# KiCad board Latest-Full-Backplane.kicad_pcb (continued)
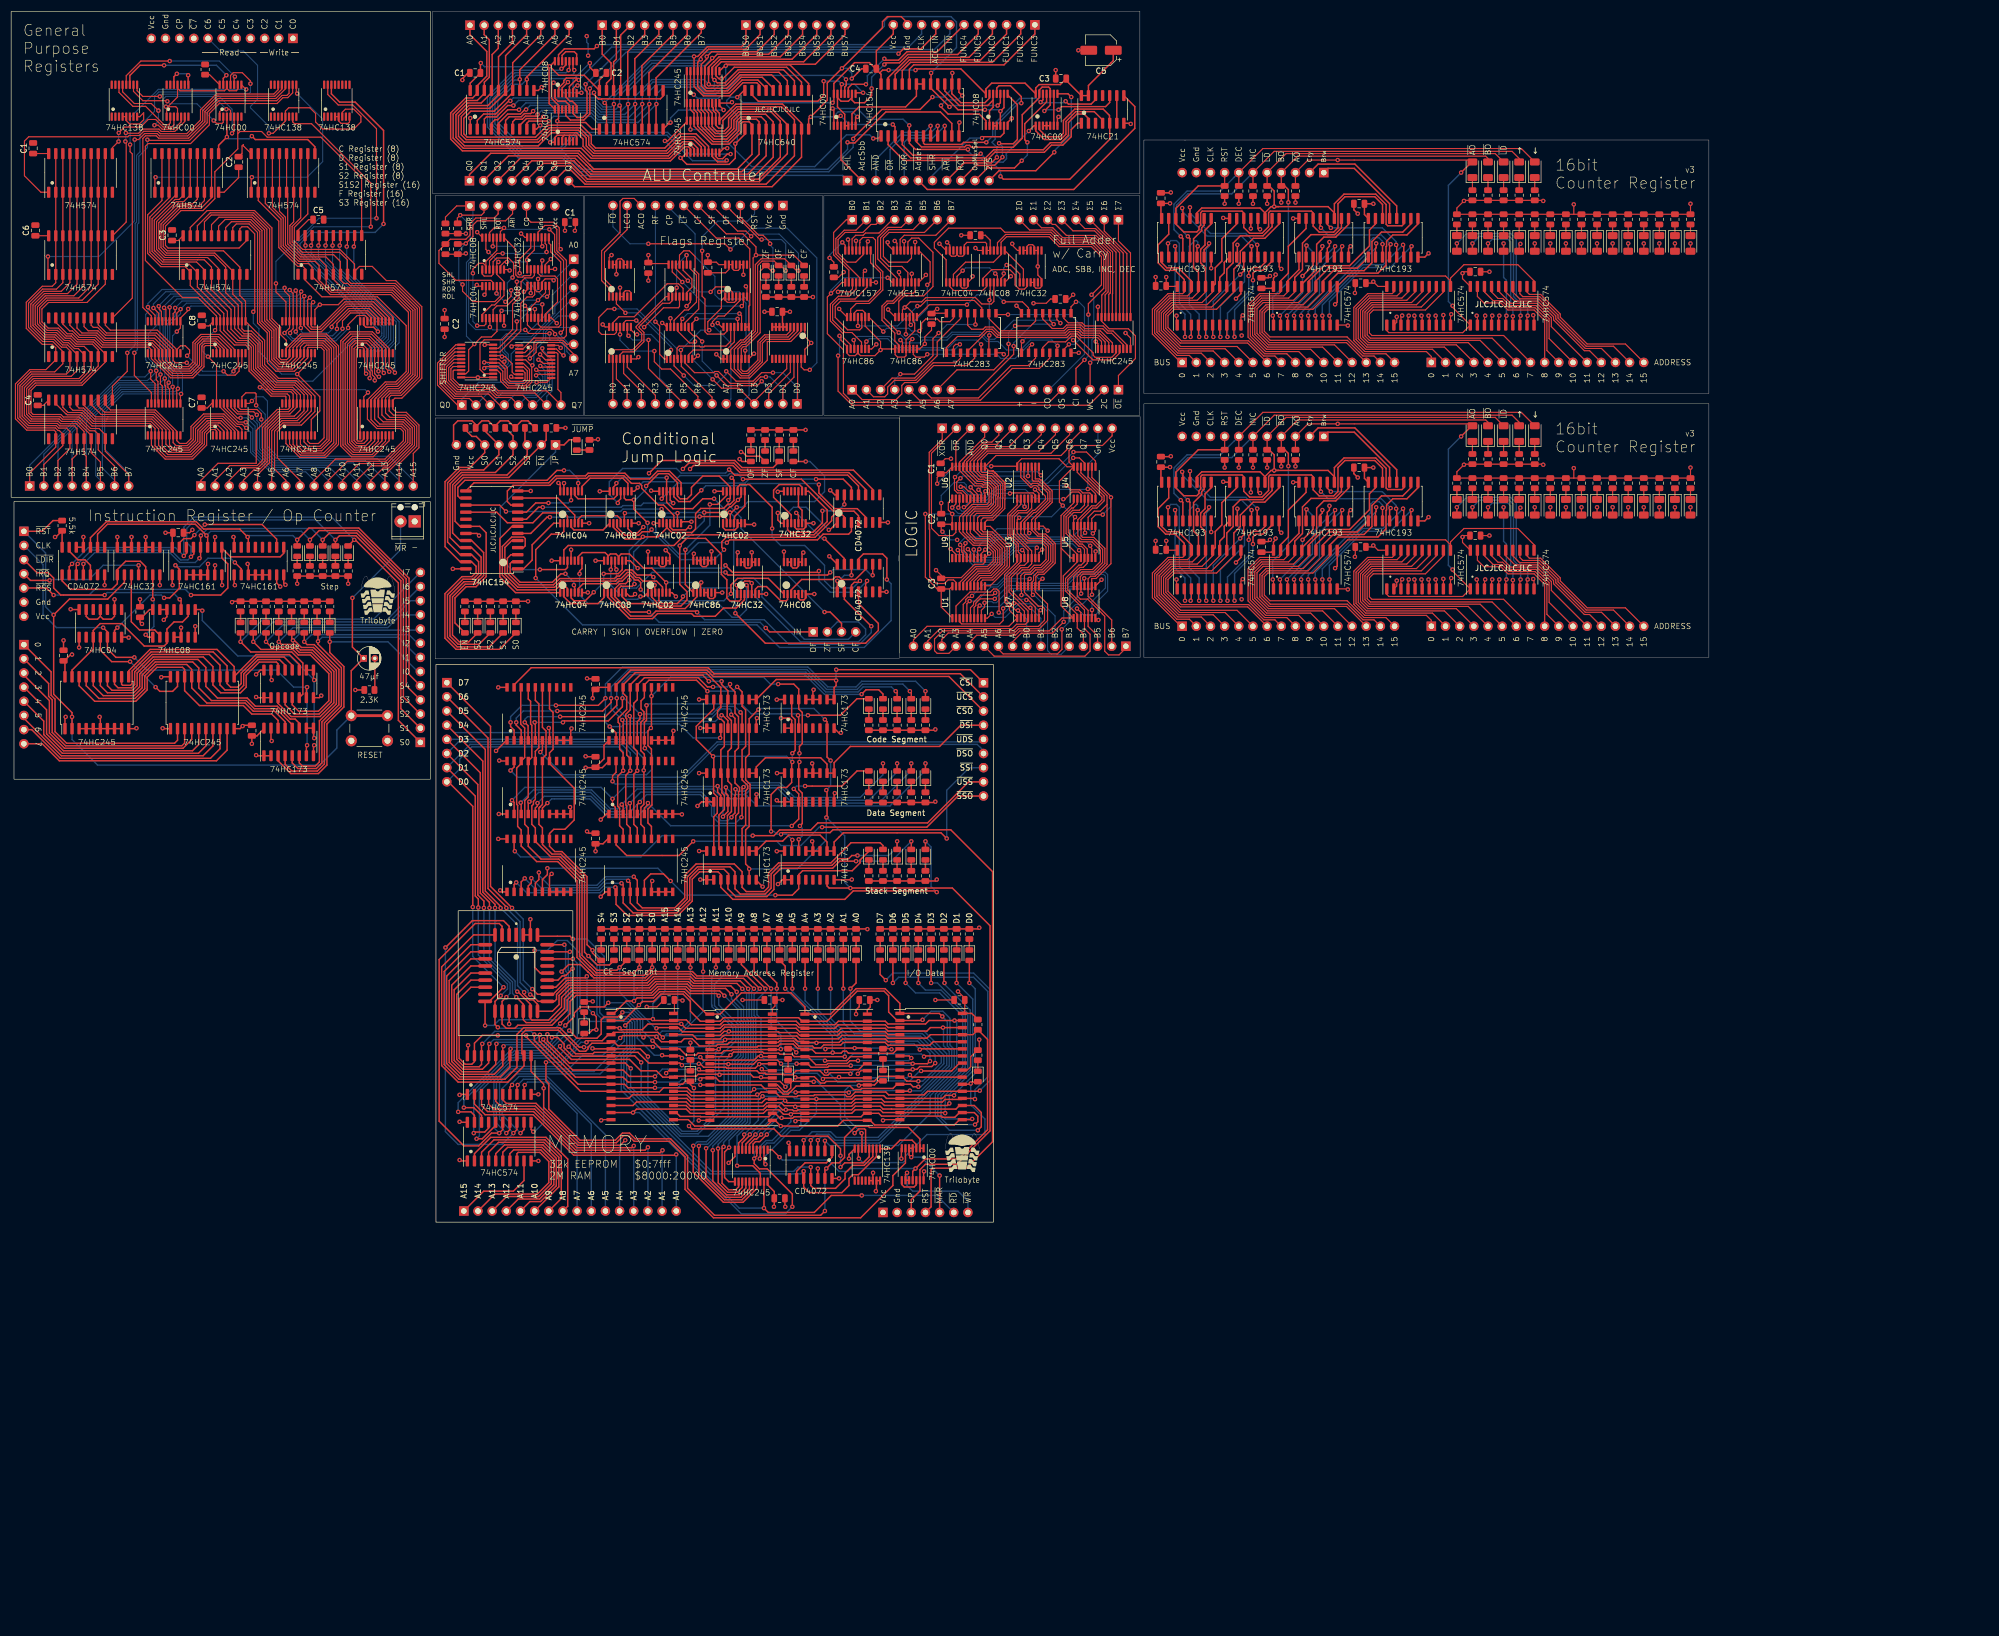
[diagram p0: board, top side]
## Placement (name value [footprint] x y rotation side) (continued)
R25#2  R_Small  [R_0805_2012Metric]  230.38 137.59 90 top
R25#3  R_Small  [R_0805_2012Metric]  230.38 184.9 90 top
R26  R_US  [R_0805_2012Metric]  135.56 51.67 270 top
R27  R_Small  [R_0805_2012Metric]  220.22 184.9 270 top
R27#2  R_US  [R_0805_2012Metric]  137.85 51.67 270 top
R27#3  R_Small  [R_0805_2012Metric]  220.22 137.59 270 top
R28  R_Small  [R_0805_2012Metric]  222.76 137.59 270 top
R28#2  R_Small  [R_0805_2012Metric]  222.76 184.9 270 top
R28#3  R_US  [R_0805_2012Metric]  140.13 51.67 270 top
R29  R_US  [R_0805_2012Metric]  142.42 51.67 270 top
R30  R_US  [R_0805_2012Metric]  144.7 51.67 270 top
R31  R_US  [R_0805_2012Metric]  146.99 51.67 270 top
R32  R_US  [R_0805_2012Metric]  149.28 51.67 270 top
R33  R_US  [R_0805_2012Metric]  151.56 51.67 270 top
R34  R_Small_US  [R_0805_2012Metric]  173.41 35.42 90 top
R35  R_Small_US  [R_0805_2012Metric]  102.79 38.57 270 top
R36  R_US  [R_0805_2012Metric]  153.85 76.16 90 top
R37  R_US  [R_0805_2012Metric]  156.39 76.16 90 top
R38  R_US  [R_0805_2012Metric]  158.93 76.16 90 top
R39  R_US  [R_0805_2012Metric]  161.47 76.16 90 top
R40  R_US  [R_0805_2012Metric]  164.01 76.16 90 top
R41  R_US  [R_0805_2012Metric]  153.85 89.12 90 top
R42  R_US  [R_0805_2012Metric]  156.39 89.12 90 top
R43  R_US  [R_0805_2012Metric]  158.93 89.12 90 top
R44  R_US  [R_0805_2012Metric]  161.47 89.12 90 top
R45  R_US  [R_0805_2012Metric]  164.01 89.12 90 top
R46  R_US  [R_0805_2012Metric]  153.85 62.09 90 top
R47  R_US  [R_0805_2012Metric]  156.39 62.09 90 top
R48  R_US  [R_0805_2012Metric]  158.93 62.09 90 top
R49  R_US  [R_0805_2012Metric]  161.47 62.09 90 top
R50  R_US  [R_0805_2012Metric]  164.01 62.09 90 top
REF**  -  [trilobyte-logo-small]  65.79 120.07 0 top
REF**#2  -  [trilobyte-logo-small]  170.63 20.15 0 top
SW1  SW_Push  [SW_PUSH_6mm]  61.01 90.82 0 top
U1  74LS157  [TSSOP-16_4.4x5mm_P0.65mm]  151.89 171.37 90 top
U1#2  74LS08  [TSSOP-14_4.4x5mm_P0.65mm]  99.49 205.31 90 top
U1#3  74LS245  [TSSOP-20_4.4x6.5mm_P0.65mm]  171.76 111.17 90 top
U1#4  74LS574  [SO-20_5.3x12.6mm_P1.27mm]  214.88 117.02 90 top
U1#5  74LS08  [TSSOP-14_4.4x5mm_P0.65mm]  86.46 173.67 90 top
U1#6  74LS173  [TSSOP-16_4.4x5mm_P0.65mm]  130.05 157.66 90 top
U1#7  74HC04  [SOIC-14_3.9x8.7mm_P1.27mm]  16 107.37 90 top
U1#8  74HC04  [TSSOP-14_4.4x5mm_P0.65mm]  100.44 128.19 90 top
U1#9  74LS574  [SO-20_5.3x12.6mm_P1.27mm]  31.5 188.14 90 top
U1#10  74HC00  [TSSOP-14_4.4x5mm_P0.65mm]  161.72 10.38 270 top
U1#11  74LS574  [SO-20_5.3x12.6mm_P1.27mm]  214.88 164.32 90 top
U2  74LS245  [TSSOP-20_4.4x6.5mm_P0.65mm]  139.45 157.66 270 top
U2#2  4072  [SO-14_3.9x8.65mm_P1.27mm]  143.43 10.31 270 top
U2#3  74LS04  [TSSOP-14_4.4x5mm_P0.65mm]  86.46 164.97 90 top
U2#4  74LS157  [TSSOP-16_4.4x5mm_P0.65mm]  160.53 171.37 90 top
U2#5  74LS193  [SO-16_5.3x10.2mm_P1.27mm]  210.82 176.51 90 top
U2#6  74LS193  [SO-16_5.3x10.2mm_P1.27mm]  210.82 129.21 90 top
U2#7  74LS08  [TSSOP-14_4.4x5mm_P0.65mm]  182.41 132.59 90 top
U2#8  74HC02  [TSSOP-14_4.4x5mm_P0.65mm]  118.22 128.19 90 top
U2#9  74LS574  [SO-20_5.3x12.6mm_P1.27mm]  88.06 199.47 90 top
U2#10  74LS138  [TSSOP-16_4.4x5mm_P0.65mm]  20.32 201.09 90 top
U2#11  4072  [SOIC-14_3.9x8.7mm_P1.27mm]  12.95 118.54 90 top
U3  74LS138  [TSSOP-16_4.4x5mm_P0.65mm]  48.88 201.09 90 top
U3#2  74LS154  [SOIC-24W_7.5x15.4mm_P1.27mm]  163.03 199.43 90 top
U3#3  74LS08  [TSSOP-14_4.4x5mm_P0.65mm]  94.56 165.02 90 top
U3#4  74LS193  [SO-16_5.3x10.2mm_P1.27mm]  223.01 129.21 90 top
U3#5  74HC139  [TSSOP-16_4.4x5mm_P0.65mm]  153.59 10.31 270 top
U3#6  74HC161  [SOIC-16_3.9x9.9mm_P1.27mm]  33.34 118.54 90 top
U3#7  74LS86  [TSSOP-14_4.4x5mm_P0.65mm]  151.89 159.44 90 top
U3#8  74LS193  [SO-16_5.3x10.2mm_P1.27mm]  223.01 176.51 90 top
U3#9  74LS32  [TSSOP-14_4.4x5mm_P0.65mm]  182.41 121.94 90 top
U3#10  74HC08  [TSSOP-14_4.4x5mm_P0.65mm]  109.33 128.19 90 top
U4  IS61C5128AS-25TLI  [TSOP-II-32_21.0x10.2mm_P1.27mm]  113.21 27.9 0 top
U4#2  74LS574  [SO-20_5.3x12.6mm_P1.27mm]  12.45 188.14 90 top
U4#3  74HC32  [SOIC-14_3.9x8.7mm_P1.27mm]  22.86 118.54 90 top
U4#4  74HC04  [TSSOP-14_4.4x5mm_P0.65mm]  100.44 115.75 90 top
U4#5  74LS574  [SO-20_5.3x12.6mm_P1.27mm]  111.24 199.47 90 top
U4#6  74LS08  [TSSOP-14_4.4x5mm_P0.65mm]  192.56 132.59 90 top
U4#7  74LS32  [TSSOP-14_4.4x5mm_P0.65mm]  94.51 173.72 90 top
U4#8  74LS574  [SO-20_5.3x12.6mm_P1.27mm]  232.16 117.02 90 top
U4#9  74LS574  [SO-20_5.3x12.6mm_P1.27mm]  232.16 164.32 90 top
U4#10  74LS86  [TSSOP-14_4.4x5mm_P0.65mm]  160.53 159.44 90 top
U5  74LS193  [SO-16_5.3x10.2mm_P1.27mm]  235.46 129.21 90 top
U5#2  74LS574  [SO-20_5.3x12.6mm_P1.27mm]  12.45 173.41 90 top
U5#3  IS61C5128AS-25TLI  [TSOP-II-32_21.0x10.2mm_P1.27mm]  130.94 27.78 0 top
U5#4  74HC02  [TSSOP-14_4.4x5mm_P0.65mm]  129.65 128.19 90 top
U5#5  74LS193  [SO-16_5.3x10.2mm_P1.27mm]  235.46 176.51 90 top
U5#6  74LS283  [SOIC-16W_5.3x10.2mm_P1.27mm]  172.21 159.44 90 top
U5#7  74HC08  [SOIC-14_3.9x8.7mm_P1.27mm]  29.21 107.37 90 top
U5#8  74LS32  [TSSOP-14_4.4x5mm_P0.65mm]  192.54 121.97 90 top
U5#9  74LS245  [TSSOP-20_4.4x6.5mm_P0.65mm]  83.59 154.41 180 top
U5#10  74LS245  [TSSOP-20_4.4x6.5mm_P0.65mm]  124.13 203.53 90 top
U6  74HC640  [SO-20_5.3x12.6mm_P1.27mm]  137.33 199.47 90 top
U6#2  74LS574  [SO-20_5.3x12.6mm_P1.27mm]  12.45 158.67 90 top
U6#3  74HC08  [TSSOP-14_4.4x5mm_P0.65mm]  108.32 115.75 90 top
U6#4  74LS574  [SO-20_5.3x12.6mm_P1.27mm]  252.48 117.02 90 top
U6#5  74LS574  [SO-20_5.3x12.6mm_P1.27mm]  252.48 164.32 90 top
U6#6  74LS245  [TSSOP-20_4.4x6.5mm_P0.65mm]  171.74 132.59 90 top
U6#7  74LS283  [SOIC-16W_5.3x10.2mm_P1.27mm]  185.67 159.44 90 top
U6#8  IS61C5128AS-25TLI  [TSOP-II-32_21.0x10.2mm_P1.27mm]  147.98 27.78 0 top
U6#9  74LS245  [TSSOP-20_4.4x6.5mm_P0.65mm]  94.01 154.3 0 top
U6#10  74HC245  [SOIC-20W_7.5x12.8mm_P1.27mm]  15.37 93.14 90 top
U7  74LS86  [TSSOP-14_4.4x5mm_P0.65mm]  182.41 111.19 90 top
U7#2  74LS00  [TSSOP-14_4.4x5mm_P0.65mm]  185.74 199.47 90 top
U7#3  74LS193  [SO-16_5.3x10.2mm_P1.27mm]  247.9 129.21 90 top
U7#4  74HC32  [TSSOP-14_4.4x5mm_P0.65mm]  132.19 115.49 90 top
U7#5  74LS245  [TSSOP-20_4.4x6.5mm_P0.65mm]  197.87 159.44 90 top
U7#6  74LS193  [SO-16_5.3x10.2mm_P1.27mm]  247.9 176.51 90 top
U7#7  74LS574  [SO-20_5.3x12.6mm_P1.27mm]  12.45 143.94 90 top
U7#8  IS61C5128AS-25TLI  [TSOP-II-32_21.0x10.2mm_P1.27mm]  165.02 27.9 0 top
U7#9  74HC245  [SOIC-20W_7.5x12.8mm_P1.27mm]  34.29 93.14 90 top
U8  74HC173  [SOIC-16_3.9x9.9mm_P1.27mm]  49.78 86.11 90 top
U8#2  74LS245  [TSSOP-20_4.4x6.5mm_P0.65mm]  27.43 158.67 90 top
U8#3  74LS86  [TSSOP-14_4.4x5mm_P0.65mm]  192.54 111.19 90 top
U8#4  74LS00  [TSSOP-14_4.4x5mm_P0.65mm]  149.53 199.47 90 top
U8#5  74LS574  [SO-20_5.3x12.6mm_P1.27mm]  267.46 117.02 90 top
U8#6  74HC245  [TSSOP-20_4.4x6.5mm_P0.65mm]  132.77 10.12 270 top
U8#7  74HC86  [TSSOP-14_4.4x5mm_P0.65mm]  124.32 115.75 90 top
U8#8  74LS574  [SO-20_5.3x12.6mm_P1.27mm]  267.46 164.32 90 top
U9  74HC02  [TSSOP-14_4.4x5mm_P0.65mm]  116.19 115.75 90 top
U9#2  74HC173  [SOIC-16_3.9x9.9mm_P1.27mm]  49.78 96.52 90 top
U9#3  74LS08  [TSSOP-14_4.4x5mm_P0.65mm]  176.8 199.46 90 top
U9#4  74HC574  [SO-20_5.3x12.6mm_P1.27mm]  87.55 26.38 90 top
U9#5  74LS245  [TSSOP-20_4.4x6.5mm_P0.65mm]  171.74 121.94 90 top
U9#6  74LS245  [TSSOP-20_4.4x6.5mm_P0.65mm]  39.12 158.67 90 top
U10  74HC161  [SOIC-16_3.9x9.9mm_P1.27mm]  44.45 118.54 90 top
U10#2  CD4072  [SOIC-14_3.9x8.7mm_P1.27mm]  152 127.94 90 top
U10#3  74HC574  [SO-20_5.3x12.6mm_P1.27mm]  87.55 14.44 90 top
U10#4  74LS21  [SOIC-14_3.9x8.7mm_P1.27mm]  195.79 199.53 90 top
U10#5  74LS245  [TSSOP-20_4.4x6.5mm_P0.65mm]  27.43 143.94 90 top
U11  PLCC32_28_28C256  [PLCC-32-SOCKET-Microchip-32J-10_2001-B-IPC_A]  90.6 44.67 0 top
U11#2  CD4072  [SOIC-14_3.9x8.7mm_P1.27mm]  152 115.49 90 top
U11#3  74LS245  [TSSOP-20_4.4x6.5mm_P0.65mm]  39.12 143.94 90 top
U11#4  74LS245  [TSSOP-20_4.4x6.5mm_P0.65mm]  124.13 194.64 90 top
U12  74LS04  [TSSOP-14_4.4x5mm_P0.65mm]  99.49 196.67 90 top
U12#2  74LS574  [SO-20_5.3x12.6mm_P1.27mm]  36.57 173.41 90 top
U12#3  74HC173  [SO-16_3.9x9.9mm_P1.27mm]  129.21 77.94 90 top
U12#4  74HC32  [TSSOP-14_4.4x5mm_P0.65mm]  140.57 128.19 90 top
U13  74HC173  [SO-16_3.9x9.9mm_P1.27mm]  143.18 77.94 90 top
U13#2  74HC154  [SOIC-24W_7.5x15.4mm_P1.27mm]  86.22 124.13 180 top
U13#3  74LS574  [SO-20_5.3x12.6mm_P1.27mm]  48.77 188.14 90 top
U14  74HC08  [TSSOP-14_4.4x5mm_P0.65mm]  140.57 115.49 90 top
U14#2  74HC245  [SO-20_12.8x7.5mm_P1.27mm]  94.67 77.94 90 top
U14#3  74LS574  [SO-20_5.3x12.6mm_P1.27mm]  57.17 173.44 90 top
U15  74LS245  [TSSOP-20_4.4x6.5mm_P0.65mm]  51.56 158.68 90 top
U15#2  74HC245  [SO-20_12.8x7.5mm_P1.27mm]  112.95 77.94 90 top
U16  74LS245  [TSSOP-20_4.4x6.5mm_P0.65mm]  65.53 158.67 90 top
U16#2  74HC173  [SO-16_3.9x9.9mm_P1.27mm]  129.21 91.15 90 top
U17  74HC173  [SO-16_3.9x9.9mm_P1.27mm]  143.18 91.15 90 top
U17#2  74LS245  [TSSOP-20_4.4x6.5mm_P0.65mm]  51.56 143.94 90 top
U18  74HC245  [SO-20_12.8x7.5mm_P1.27mm]  94.67 91.15 90 top
U18#2  74LS245  [TSSOP-20_4.4x6.5mm_P0.65mm]  65.53 143.94 90 top
U19  74HC245  [SO-20_12.8x7.5mm_P1.27mm]  112.95 91.15 90 top
U19#2  74LS138  [TSSOP-16_4.4x5mm_P0.65mm]  58.42 201.09 90 top
U20  74HC173  [SO-16_3.9x9.9mm_P1.27mm]  129.21 63.97 90 top
U20#2  74LS00  [TSSOP-14_4.4x5mm_P0.65mm]  29.84 201.09 90 top
U21  74LS00  [TSSOP-14_4.4x5mm_P0.65mm]  39.35 201.09 90 top
U21#2  74HC173  [SO-16_3.9x9.9mm_P1.27mm]  143.18 63.97 90 top
U22  74HC245  [SO-20_12.8x7.5mm_P1.27mm]  94.67 63.97 90 top
U23  74HC245  [SO-20_12.8x7.5mm_P1.27mm]  112.95 63.97 90 top
U32  74LS04  [TSSOP-14_4.4x5mm_P0.65mm]  169.67 171.37 90 top
U33  74LS08  [TSSOP-14_4.4x5mm_P0.65mm]  176.28 171.37 90 top
U34  74LS32  [TSSOP-14_4.4x5mm_P0.65mm]  182.88 171.37 90 top
U35  74LS32  [TSSOP-14_4.4x5mm_P0.65mm]  109.22 168.83 90 top
U36  74LS02  [TSSOP-14_4.4x5mm_P0.65mm]  109.22 157.66 90 top
U37  74LS08  [TSSOP-14_4.4x5mm_P0.65mm]  119.89 168.83 90 top
U38  74LS157  [TSSOP-16_4.4x5mm_P0.65mm]  119.89 157.66 90 top
U39  74LS86  [TSSOP-14_4.4x5mm_P0.65mm]  130.05 168.83 90 top

## Library data of the parts
C5#4 = -: Field4: 47μf
J1 = -: Field4: Mem Control
J1#4 J2#2 J2#7 U7#9 = -: Field4: Data Bus
J1#5 = -: Field4: Input
J2#5 J3#2 J3#8 J3#9 = -: Field4: Address Bus
J2#8 = -: L: I/O Data Bus
J2#9 = -: Field4: Result
J3 = -: Field4: Output Control Lines
J3#3 = -: Field4: Control Bus
J3#4 J4#3 J4#6 = -: Field4: Control
J4#7 = -: Field4: Segment Control
J5 = -: Field4: Input Control Lines
R1#5 = -: Field4: 5.5K
R15#2 = -: Field4: 2.3K
SW1 = -: Field4: Reset
U1#9 = -: Field4: F Register
U2#10 = -: Field4: WRITE
U3 = -: Field4: Read Register Decoder
U4 = -: Field4: SRAM 512k; Field5: 0
U4#2 = -: Field4: C Register
U4#3 = -: Field4: Bus Select Logic
U5#2 = -: Field4: D Register
U5#3 = -: Field4: SRAM 512k; Field5: 1
U5#9 = -: Func: Shift Left
U6#2 = -: Field4: S1 Register
U6#8 = -: Field4: SRAM 512k; Field5: 2
U6#9 = -: Func: Shift Right
U6#10 = -: Field4: Hardwired  Addresses Bus
U7#7 = -: Field4: S2 Register
U7#8 = -: Field4: SRAM 512k; Field5: 3
U8 = -: Field4: 8-bit Register
U12#2 = -: Field4: S3 Register
U13#3 U14#3 = -: Field4: F
U19#2 = -: Field4: READ2

## Footprints (pads in the part's own frame, mm; a bottom-side part is the same pattern mirrored in y, then rotated)
C_0805_2012Metric
  rrect 1x1.45 smd: 1(-0.95,0) 2(0.95,0)
CP_Elec_5x5.9
  rrect 3x1.6 smd: 1(-2.2,0) 2(2.2,0)
CP_Radial_D4.0mm_P2.00mm
  rect 1.2x1.2 hole 0.6: 1(0,0)
  round 1.2 hole 0.6: 2(2,0)
LED_0805_2012Metric
  rrect 0.975x1.4 smd: 1(-0.938,0) 2(0.938,0)
LED_1206_3216Metric
  rrect 1.25x1.75 smd: 1(-1.4,0) 2(1.4,0)
PinHeader_1x04_P2.54mm_Vertical
  rect 1.7x1.7 hole 1: 1(0,0)
  oval 1.7x1.7 hole 1: 2(0,-2.54) 3(0,-5.08) 4(0,-7.62)
PinHeader_1x07_P2.54mm_Vertical
  rect 1.7x1.7 hole 1: 1(0,0)
  oval 1.7x1.7 hole 1: 2(0,-2.54) 3(0,-5.08) 4(0,-7.62) 5(0,-10.16) 6(0,-12.7) 7(0,-15.24)
PinHeader_1x08_P2.54mm_Vertical
  rect 1.7x1.7 hole 1: 1(0,0)
  oval 1.7x1.7 hole 1: 2(0,-2.54) 3(0,-5.08) 4(0,-7.62) 5(0,-10.16) 6(0,-12.7) 7(0,-15.24) 8(0,-17.78)
PinHeader_1x09_P2.54mm_Vertical
  rect 1.7x1.7 hole 1: 1(0,0)
  oval 1.7x1.7 hole 1: 2(0,-2.54) 3(0,-5.08) 4(0,-7.62) 5(0,-10.16) 6(0,-12.7) 7(0,-15.24) 8(0,-17.78) 9(0,-20.32)
PinHeader_1x11_P2.54mm_Vertical
  rect 1.7x1.7 hole 1: 1(0,0)
  oval 1.7x1.7 hole 1: 2(0,-2.54) 3(0,-5.08) 4(0,-7.62) 5(0,-10.16) 6(0,-12.7) 7(0,-15.24) 8(0,-17.78) 9(0,-20.32) 10(0,-22.86) 11(0,-25.4)
PinHeader_1x13_P2.54mm_Vertical
  rect 1.7x1.7 hole 1: 1(0,0)
  oval 1.7x1.7 hole 1: 2(0,-2.54) 3(0,-5.08) 4(0,-7.62) 5(0,-10.16) 6(0,-12.7) 7(0,-15.24) 8(0,-17.78) 9(0,-20.32) 10(0,-22.86) 11(0,-25.4) 12(0,-27.94) 13(0,-30.48)
PinHeader_1x14_P2.54mm_Vertical
  rect 1.7x1.7 hole 1: 1(0,0)
  oval 1.7x1.7 hole 1: 2(0,-2.54) 3(0,-5.08) 4(0,-7.62) 5(0,-10.16) 6(0,-12.7) 7(0,-15.24) 8(0,-17.78) 9(0,-20.32) 10(0,-22.86) 11(0,-25.4) 12(0,-27.94) 13(0,-30.48) 14(0,-33.02)
PinHeader_1x16_P2.54mm_Vertical
  rect 1.7x1.7 hole 1: 1(0,0)
  oval 1.7x1.7 hole 1: 2(0,-2.54) 3(0,-5.08) 4(0,-7.62) 5(0,-10.16) 6(0,-12.7) 7(0,-15.24) 8(0,-17.78) 9(0,-20.32) 10(0,-22.86) 11(0,-25.4) 12(0,-27.94) 13(0,-30.48) 14(0,-33.02) 15(0,-35.56) 16(0,-38.1)
PinSocket_1x08_P2.54mm_Vertical
  rect 1.7x1.7 hole 1: 1(0,0)
  oval 1.7x1.7 hole 1: 2(0,-2.54) 3(0,-5.08) 4(0,-7.62) 5(0,-10.16) 6(0,-12.7) 7(0,-15.24) 8(0,-17.78)
PinSocket_1x11_P2.54mm_Vertical
  rect 1.7x1.7 hole 1: 1(0,0)
  oval 1.7x1.7 hole 1: 2(0,-2.54) 3(0,-5.08) 4(0,-7.62) 5(0,-10.16) 6(0,-12.7) 7(0,-15.24) 8(0,-17.78) 9(0,-20.32) 10(0,-22.86) 11(0,-25.4)
PinSocket_1x13_P2.54mm_Vertical
  rect 1.7x1.7 hole 1: 1(0,0)
  oval 1.7x1.7 hole 1: 2(0,-2.54) 3(0,-5.08) 4(0,-7.62) 5(0,-10.16) 6(0,-12.7) 7(0,-15.24) 8(0,-17.78) 9(0,-20.32) 10(0,-22.86) 11(0,-25.4) 12(0,-27.94) 13(0,-30.48)
PinSocket_1x16_P2.54mm_Vertical
  rect 1.7x1.7 hole 1: 1(0,0)
  oval 1.7x1.7 hole 1: 2(0,-2.54) 3(0,-5.08) 4(0,-7.62) 5(0,-10.16) 6(0,-12.7) 7(0,-15.24) 8(0,-17.78) 9(0,-20.32) 10(0,-22.86) 11(0,-25.4) 12(0,-27.94) 13(0,-30.48) 14(0,-33.02) 15(0,-35.56) 16(0,-38.1)
PLCC-32-SOCKET-Microchip-32J-10_2001-B-IPC_A
  rect 0.645x2.536 smd: 1(0,6.844)
  rrect 0.645x2.536 smd: 2(-1.27,6.844) 3(-2.54,6.844) 4(-3.81,6.844) 14(-3.81,-6.844) 15(-2.54,-6.844) 16(-1.27,-6.844) 17(0,-6.844) 18(1.27,-6.844) 19(2.54,-6.844) 20(3.81,-6.844) 30(3.81,6.844) 31(2.54,6.844) 32(1.27,6.844)
  rrect 2.536x0.645 smd: 5(-5.574,5.08) 6(-5.574,3.81) 7(-5.574,2.54) 8(-5.574,1.27) 9(-5.574,0) 10(-5.574,-1.27) 11(-5.574,-2.54) 12(-5.574,-3.81) 13(-5.574,-5.08) 21(5.574,-5.08) 22(5.574,-3.81) 23(5.574,-2.54) 24(5.574,-1.27) 25(5.574,0) 26(5.574,1.27) 27(5.574,2.54) 28(5.574,3.81) 29(5.574,5.08)
R_0805_2012Metric
  rrect 1.025x1.4 smd: 1(-0.912,0) 2(0.912,0)
SO-14_3.9x8.65mm_P1.27mm
  rrect 1.95x0.6 smd: 1(-2.475,3.81) 2(-2.475,2.54) 3(-2.475,1.27) 4(-2.475,0) 5(-2.475,-1.27) 6(-2.475,-2.54) 7(-2.475,-3.81) 8(2.475,-3.81) 9(2.475,-2.54) 10(2.475,-1.27) 11(2.475,0) 12(2.475,1.27) 13(2.475,2.54) 14(2.475,3.81)
SO-16_3.9x9.9mm_P1.27mm
  rrect 1.75x0.6 smd: 1(-2.575,4.445) 2(-2.575,3.175) 3(-2.575,1.905) 4(-2.575,0.635) 5(-2.575,-0.635) 6(-2.575,-1.905) 7(-2.575,-3.175) 8(-2.575,-4.445) 9(2.575,-4.445) 10(2.575,-3.175) 11(2.575,-1.905) 12(2.575,-0.635) 13(2.575,0.635) 14(2.575,1.905) 15(2.575,3.175) 16(2.575,4.445)
SO-16_5.3x10.2mm_P1.27mm
  rrect 1.975x0.6 smd: 1(-3.462,4.445) 2(-3.462,3.175) 3(-3.462,1.905) 4(-3.462,0.635) 5(-3.462,-0.635) 6(-3.462,-1.905) 7(-3.462,-3.175) 8(-3.462,-4.445) 9(3.462,-4.445) 10(3.462,-3.175) 11(3.462,-1.905) 12(3.462,-0.635) 13(3.462,0.635) 14(3.462,1.905) 15(3.462,3.175) 16(3.462,4.445)
SO-20_5.3x12.6mm_P1.27mm
  rrect 1.975x0.6 smd: 1(-3.462,5.715) 2(-3.462,4.445) 3(-3.462,3.175) 4(-3.462,1.905) 5(-3.462,0.635) 6(-3.462,-0.635) 7(-3.462,-1.905) 8(-3.462,-3.175) 9(-3.462,-4.445) 10(-3.462,-5.715) 11(3.462,-5.715) 12(3.462,-4.445) 13(3.462,-3.175) 14(3.462,-1.905) 15(3.462,-0.635) 16(3.462,0.635) 17(3.462,1.905) 18(3.462,3.175) 19(3.462,4.445) 20(3.462,5.715)
SO-20_12.8x7.5mm_P1.27mm
  rect 1.5x0.6 smd: 1(-4.75,5.715) 2(-4.75,4.445) 3(-4.75,3.175) 4(-4.75,1.905) 5(-4.75,0.635) 6(-4.75,-0.635) 7(-4.75,-1.905) 8(-4.75,-3.175) 9(-4.75,-4.445) 10(-4.75,-5.715) 11(4.75,-5.715) 12(4.75,-4.445) 13(4.75,-3.175) 14(4.75,-1.905) 15(4.75,-0.635) 16(4.75,0.635) 17(4.75,1.905) 18(4.75,3.175) 19(4.75,4.445) 20(4.75,5.715)
SOIC-14_3.9x8.7mm_P1.27mm
  rrect 1.95x0.6 smd: 1(-2.475,3.81) 2(-2.475,2.54) 3(-2.475,1.27) 4(-2.475,0) 5(-2.475,-1.27) 6(-2.475,-2.54) 7(-2.475,-3.81) 8(2.475,-3.81) 9(2.475,-2.54) 10(2.475,-1.27) 11(2.475,0) 12(2.475,1.27) 13(2.475,2.54) 14(2.475,3.81)
SOIC-16_3.9x9.9mm_P1.27mm
  rrect 1.95x0.6 smd: 1(-2.475,4.445) 2(-2.475,3.175) 3(-2.475,1.905) 4(-2.475,0.635) 5(-2.475,-0.635) 6(-2.475,-1.905) 7(-2.475,-3.175) 8(-2.475,-4.445) 9(2.475,-4.445) 10(2.475,-3.175) 11(2.475,-1.905) 12(2.475,-0.635) 13(2.475,0.635) 14(2.475,1.905) 15(2.475,3.175) 16(2.475,4.445)
SOIC-16W_5.3x10.2mm_P1.27mm
  rect 1.5x0.6 smd: 1(-3.55,4.445) 2(-3.55,3.175) 3(-3.55,1.905) 4(-3.55,0.635) 5(-3.55,-0.635) 6(-3.55,-1.905) 7(-3.55,-3.175) 8(-3.55,-4.445) 9(3.55,-4.445) 10(3.55,-3.175) 11(3.55,-1.905) 12(3.55,-0.635) 13(3.55,0.635) 14(3.55,1.905) 15(3.55,3.175) 16(3.55,4.445)
SOIC-20W_7.5x12.8mm_P1.27mm
  rrect 2.05x0.6 smd: 1(-4.65,5.715) 2(-4.65,4.445) 3(-4.65,3.175) 4(-4.65,1.905) 5(-4.65,0.635) 6(-4.65,-0.635) 7(-4.65,-1.905) 8(-4.65,-3.175) 9(-4.65,-4.445) 10(-4.65,-5.715) 11(4.65,-5.715) 12(4.65,-4.445) 13(4.65,-3.175) 14(4.65,-1.905) 15(4.65,-0.635) 16(4.65,0.635) 17(4.65,1.905) 18(4.65,3.175) 19(4.65,4.445) 20(4.65,5.715)
SOIC-24W_7.5x15.4mm_P1.27mm
  rrect 2.05x0.6 smd: 1(-4.65,6.985) 2(-4.65,5.715) 3(-4.65,4.445) 4(-4.65,3.175) 5(-4.65,1.905) 6(-4.65,0.635) 7(-4.65,-0.635) 8(-4.65,-1.905) 9(-4.65,-3.175) 10(-4.65,-4.445) 11(-4.65,-5.715) 12(-4.65,-6.985) 13(4.65,-6.985) 14(4.65,-5.715) 15(4.65,-4.445) 16(4.65,-3.175) 17(4.65,-1.905) 18(4.65,-0.635) 19(4.65,0.635) 20(4.65,1.905) 21(4.65,3.175) 22(4.65,4.445) 23(4.65,5.715) 24(4.65,6.985)
SW_PUSH_6mm
  round 2 hole 1.1: 1(0,0) 1(6.5,0) 2(0,-4.5) 2(6.5,-4.5)
TerminalBlock_Phoenix_MPT-0,5-2-2.54_1x02_P2.54mm_Horizontal
  round 1.1 hole 1.1 unplated: (0,-2.54) (2.54,-2.54)
  rect 2.2x2.2 hole 1.1: 1(0,0)
  round 2.2 hole 1.1: 2(2.54,0)
TSOP-II-32_21.0x10.2mm_P1.27mm
  rect 1.6x0.6 smd: 1(-5.6,9.525) 2(-5.6,8.255) 3(-5.6,6.985) 4(-5.6,5.715) 5(-5.6,4.445) 6(-5.6,3.175) 7(-5.6,1.905) 8(-5.6,0.625) 9(-5.6,-0.625) 10(-5.6,-1.905) 11(-5.6,-3.175) 12(-5.6,-4.445) 13(-5.6,-5.715) 14(-5.6,-6.985) 15(-5.6,-8.255) 16(-5.6,-9.525) 17(5.6,-9.525) 18(5.6,-8.255) 19(5.6,-6.985) 20(5.6,-5.715) 21(5.6,-4.445) 22(5.6,-3.175) 23(5.6,-1.905) 24(5.6,-0.625) 25(5.6,0.625) 26(5.6,1.905) 27(5.6,3.175) 28(5.6,4.445) 29(5.6,5.715) 30(5.6,6.985) 31(5.6,8.255) 32(5.6,9.525)
TSSOP-14_4.4x5mm_P0.65mm
  rrect 1.475x0.4 smd: 1(-2.862,1.95) 2(-2.862,1.3) 3(-2.862,0.65) 4(-2.862,0) 5(-2.862,-0.65) 6(-2.862,-1.3) 7(-2.862,-1.95) 8(2.862,-1.95) 9(2.862,-1.3) 10(2.862,-0.65) 11(2.862,0) 12(2.862,0.65) 13(2.862,1.3) 14(2.862,1.95)
TSSOP-16_4.4x5mm_P0.65mm
  rrect 1.475x0.4 smd: 1(-2.862,2.275) 2(-2.862,1.625) 3(-2.862,0.975) 4(-2.862,0.325) 5(-2.862,-0.325) 6(-2.862,-0.975) 7(-2.862,-1.625) 8(-2.862,-2.275) 9(2.862,-2.275) 10(2.862,-1.625) 11(2.862,-0.975) 12(2.862,-0.325) 13(2.862,0.325) 14(2.862,0.975) 15(2.862,1.625) 16(2.862,2.275)
TSSOP-20_4.4x6.5mm_P0.65mm
  rrect 1.475x0.4 smd: 1(-2.862,2.925) 2(-2.862,2.275) 3(-2.862,1.625) 4(-2.862,0.975) 5(-2.862,0.325) 6(-2.862,-0.325) 7(-2.862,-0.975) 8(-2.862,-1.625) 9(-2.862,-2.275) 10(-2.862,-2.925) 11(2.862,-2.925) 12(2.862,-2.275) 13(2.862,-1.625) 14(2.862,-0.975) 15(2.862,-0.325) 16(2.862,0.325) 17(2.862,0.975) 18(2.862,1.625) 19(2.862,2.275) 20(2.862,2.925)

## Nets
GND: C1.2 C1#2.2 C1#3.2 C1#4.2 C1#5.2 C1#6.1 C1#7.2 C1#8.2 C1#9.2 C1#10.2 C2.2 C2#2.2 C2#3.2 C2#4.2 C2#5.1 C2#6.2 C2#7.2 C2#8.2 C2#9.2 C2#10.2 C3.2 C3#2.2 C3#3.2 C3#4.2 C3#5.2 C3#6.2 C3#7.2 C3#8.2 C3#9.2 C4.2 C4#2.2 C4#3.2 C4#4.2 C4#5.2 C4#6.2 C4#7.2 C5.2 C5#2.2 C5#3.2 C6.2 C6#2.2 C7.2 C7#2.2 C7#3.2 C7#4.2 C8.2 C8#2.2 C9.2 C9#2.2 J1.2 J1#6.1 J3#3.10 J3#4.6 J3#5.8 J3#7.6 J4.1 J4#3.10 J4#4.7 J4#6.10 J5.10 JC.12 R1#2.1 R1#3.2 R1#7.2 R2.2 R2#2.2 R2#3.2 R2#4.2 R2#5.2 R2#6.1 R3.2 R3#2.2 R3#3.2 R3#4.2 R3#5.1 R3#6.2 R4.2 R4#2.2 R4#3.2 R4#4.1 R4#5.2 R4#6.2 R5.2 R5#2.1 R5#3.2 R5#4.2 R5#5.2 R6.2 R6#2.2 R6#3.1 R6#4.2 R6#5.2 R7.2 R7#2.2 R7#3.1 R7#4.2 R7#5.2 R8.2 R8#2.1 R8#3.2 R8#4.2 R8#5.2 R9.2 R9#2.1 R9#3.2 R9#4.2 R9#5.2 R10.1 R10#2.2 R10#4.2 R10#5.2 R10#6.2 R11.2 R11#3.1 R11#4.2 R11#5.2 R11#6.2 R12.2 R12#2.2 R12#3.1 R12#4.2 R12#6.2 R13.2 R13#2.2 R13#3.2 R13#4.2 R13#5.1 R14.2 R14#2.2 R14#3.1 R14#4.2 R14#5.2 R15.2 R15#2.2 R15#4.2 R15#5.1 R16.2 R16#2.2 R16#3.1 R17.2 R17#2.2 R17#3.1 R18.1 R18#2.1 R18#3.1 R19.2 R19#2.2 R19#3.1 R20.2 R20#2.1 R20#3.2 R21.2 R21#2.1 R21#3.2 R22.2 R22#2.2 R22#3.1 R23.2 R23#2.1 R23#3.2 R24#2.1 R25.1 R26.1 R27#2.1 R28#3.1 R29.1 R30.1 R31.1 R32.1 R33.1 R35.1 R36.1 R37.1 R38.1 R39.1 R40.1 R41.1 R42.1 R43.1 R44.1 R45.1 R46.1 R47.1 R48.1 R49.1 R50.1 SW1.2 U1.8 U1.15 U1#2.7 U1#3.10 U1#4.10 U1#5.7 U1#6.1 U1#6.2 U1#6.8 U1#7.1 U1#7.7 U1#7.9 U1#7.11 U1#7.13 U1#8.7 U1#8.13 U1#9.10 U1#10.7 U1#11.10 U2.6 U2.7 U2.8 U2.9 U2.10 U2#2.7 U2#2.12 U2#3.7 U2#3.13 U2#4.8 U2#4.15 U2#5.8 U2#6.8 U2#7.7 U2#8.7 U2#9.1 U2#9.10 U2#10.4 U2#10.5 U2#10.8 U2#11.7 U2#11.11 U2#11.12 U3.4 U3.8 U3#2.12 U3#3.7 U3#4.8 U3#5.8 U3#5.13 U3#5.14 U3#6.3 U3#6.4 U3#6.5 U3#6.6 U3#6.8 U3#7.7 U3#8.8 U3#9.7 U3#10.7 U4.16 U4.24 U4#2.10 U4#3.7 U4#3.9 U4#3.10 U4#3.12 U4#3.13 U4#4.7 U4#4.11 U4#5.1 U4#5.10 U4#6.7 U4#7.7 U4#8.10 U4#9.10 U4#10.7 U5.8 U5#2.10 U5#3.16 U5#3.24 U5#4.7 U5#5.8 U5#6.8 U5#7.4 U5#7.5 U5#7.7 U5#7.12 U5#7.13 U5#8.7 U5#9.10 U5#10.10 U6.10 U6#2.1 U6#2.10 U6#3.7 U6#4.10 U6#5.10 U6#6.10 U6#7.8 U6#8.16 U6#8.24 U6#9.10 U6#10.10 U7.7 U7#2.7 U7#3.8 U7#4.7 U7#4.9 U7#4.10 U7#4.12 U7#4.13 U7#5.10 U7#6.8 U7#7.1 U7#7.10 U7#8.16 U7#8.24 U7#9.10 U8.1 U8.2 U8.8 U8.15 U8#2.10 U8#3.7 U8#4.7 U8#5.10 U8#6.10 U8#7.4 U8#7.5 U8#7.7 U8#7.9 U8#7.10 U8#7.12 U8#7.13 U8#8.10 U9.7 U9.8 U9.9 U9.11 U9.12 U9#2.1 U9#2.2 U9#2.8 U9#2.15 U9#3.7 U9#4.1 U9#4.10 U9#5.10 U9#6.10 U10.3 U10.4 U10.5 U10.6 U10.8 U10#2.7 U10#3.1 U10#3.10 U10#4.7 U10#5.10 U11.16 U11#2.7 U11#3.10 U11#4.10 U12.1 U12.3 U12.5 U12.7 U12.13 U12#2.1 U12#2.10 U12#3.1 U12#3.2 U12#3.8 U12#4.4 U12#4.7 U12#4.12 U12#4.13 U13.1 U13.2 U13.8 U13.11 U13.12 U13.13 U13#2.12 U13#2.19 U13#3.10 U14.4 U14.5 U14.7 U14.9 U14.10 U14.12 U14.13 U14#2.7 U14#2.8 U14#2.9 U14#2.10 U14#3.1 U14#3.10 U15.10 U15#2.7 U15#2.8 U15#2.9 U15#2.10 U16.10 U16#2.1 U16#2.2 U16#2.8 U17.1 U17.2 U17.8 U17.11 U17.12 U17.13 U17#2.10 U18.7 U18.8 U18.9 U18.10 U18#2.10 U19.7 U19.8 U19.9 U19.10 U19#2.4 U19#2.5 U19#2.8 U20.1 U20.2 U20.8 U20#2.7 U21.7 U21#2.1 U21#2.2 U21#2.8 U21#2.11 U21#2.12 U21#2.13 U22.7 U22.8 U22.9 U22.10 U23.7 U23.8 U23.9 U23.10 U32.5 U32.7 U32.9 U32.11 U32.13 U33.7 U33.12 U33.13 U34.4 U34.5 U34.7 U34.9 U34.10 U34.12 U34.13 U35.4 U35.5 U35.7 U35.9 U35.10 U35.12 U35.13 U36.7 U37.7 U38.8 U38.15 U39.7 U39.9 U39.10 U39.12 U39.13
VCC: C1.1 C1#2.1 C1#3.1 C1#4.1 C1#5.1 C1#6.2 C1#7.1 C1#8.1 C1#9.1 C1#10.1 C2.1 C2#2.1 C2#3.1 C2#4.1 C2#5.2 C2#6.1 C2#7.1 C2#8.1 C2#9.1 C2#10.1 C3.1 C3#2.1 C3#3.1 C3#4.1 C3#5.1 C3#6.1 C3#7.1 C3#8.1 C3#9.1 C4.1 C4#2.1 C4#3.1 C4#4.1 C4#5.1 C4#6.1 C4#7.1 C5.1 C5#2.1 C5#3.1 C6.1 C6#2.1 C7.1 C7#2.1 C7#3.1 C7#4.1 C8.1 C8#2.1 C9.1 C9#2.1 J1.1 J1#6.2 J3#3.11 J3#4.7 J3#5.7 J3#7.7 J4#3.11 J4#4.8 J4#6.11 J5.11 JC.13 R1.2 R1#4.1 R1#5.2 R1#6.1 R10#3.2 R11#2.2 R12#5.2 R13#6.2 R15#3.2 R24.1 R24#3.1 R25#2.1 R25#3.1 R27.2 R27#3.2 R28.2 R28#2.2 R34.2 U1.3 U1.6 U1.10 U1.13 U1.16 U1#2.14 U1#3.1 U1#3.20 U1#4.20 U1#5.14 U1#6.16 U1#7.14 U1#8.14 U1#9.20 U1#10.14 U1#11.20 U2.1 U2.20 U2#2.14 U2#3.14 U2#4.3 U2#4.6 U2#4.10 U2#4.13 U2#4.16 U2#5.16 U2#6.16 U2#7.14 U2#8.14 U2#9.20 U2#10.16 U2#11.14 U3.6 U3.16 U3#2.24 U3#3.14 U3#4.16 U3#5.15 U3#5.16 U3#6.1 U3#6.7 U3#6.10 U3#6.16 U3#7.14 U3#8.16 U3#9.14 U3#10.14 U4.32 U4#2.20 U4#3.14 U4#4.14 U4#5.20 U4#6.14 U4#7.14 U4#8.20 U4#9.20 U4#10.14 U5.16 U5#2.20 U5#3.32 U5#4.14 U5#5.16 U5#6.16 U5#7.14 U5#8.14 U5#9.1 U5#9.20 U5#10.1 U5#10.20 U6.1 U6.20 U6#2.20 U6#3.14 U6#4.20 U6#5.20 U6#6.1 U6#6.20 U6#7.16 U6#8.32 U6#9.1 U6#9.20 U6#10.1 U6#10.3 U6#10.4 U6#10.5 U6#10.6 U6#10.7 U6#10.8 U6#10.9 U6#10.20 U7.14 U7#2.14 U7#3.16 U7#4.14 U7#5.1 U7#5.20 U7#6.16 U7#7.20 U7#8.32 U7#9.1 U7#9.20 U8.16 U8#2.1 U8#2.20 U8#3.14 U8#4.14 U8#5.20 U8#6.20 U8#7.14 U8#8.20 U9.14 U9#2.16 U9#3.14 U9#4.20 U9#5.1 U9#5.20 U9#6.1 U9#6.20 U10.1 U10.7 U10.16 U10#2.14 U10#3.20 U10#4.13 U10#4.14 U10#5.1 U10#5.20 U11.31 U11.32 U11#2.14 U11#3.1 U11#3.20 U11#4.1 U11#4.20 U12.14 U12#2.20 U12#3.16 U12#4.14 U13.16 U13#2.24 U13#3.20 U14.14 U14#2.1 U14#2.20 U14#3.20 U15.1 U15.20 U15#2.1 U15#2.20 U16.1 U16.20 U16#2.16 U17.16 U17#2.1 U17#2.20 U18.1 U18.20 U18#2.1 U18#2.20 U19.1 U19.20 U19#2.16 U20.16 U20#2.14 U21.14 U21#2.16 U22.1 U22.20 U23.1 U23.20 U32.14 U33.14 U34.14 U35.14 U36.14 U37.14 U38.16 U39.14
/!ARITHMETIC: U1#5.2 U1#5.10 U2#3.2
/ADDR0: D33.2 U4.12 U5#3.12 U6#8.12 U7#8.12 U9#4.19 U11.11
/ADDR1: D32.2 U4.11 U5#3.11 U6#8.11 U7#8.11 U9#4.18 U11.10
/ADDR2: D31.2 U4.10 U5#3.10 U6#8.10 U7#8.10 U9#4.17 U11.9
/ADDR3: D30.2 U4.9 U5#3.9 U6#8.9 U7#8.9 U9#4.16 U11.8
/ADDR4: D29.2 U4.8 U5#3.8 U6#8.8 U7#8.8 U9#4.15 U11.7
/ADDR5: D28.2 U4.7 U5#3.7 U6#8.7 U7#8.7 U9#4.14 U11.6
/ADDR6: D27.2 U4.6 U5#3.6 U6#8.6 U7#8.6 U9#4.13 U11.5
/ADDR7: D26.2 U4.5 U5#3.5 U6#8.5 U7#8.5 U9#4.12 U11.4
/ADDR8: D25.2 U4.27 U5#3.27 U6#8.27 U7#8.27 U10#3.19 U11.29
/ADDR9: D24.2 U4.26 U5#3.26 U6#8.26 U7#8.26 U10#3.18 U11.28
/ADDR10: D23.2 U4.23 U5#3.23 U6#8.23 U7#8.23 U10#3.17 U11.24
/ADDR11: D22#2.2 U4.25 U5#3.25 U6#8.25 U7#8.25 U10#3.16 U11.27
/ADDR12: D21#3.2 U4.4 U5#3.4 U6#8.4 U7#8.4 U10#3.15 U11.3
/ADDR13: D20.2 U4.28 U5#3.28 U6#8.28 U7#8.28 U10#3.14 U11.30
/ADDR14: D19.2 U4.3 U5#3.3 U6#8.3 U7#8.3 U10#3.13 U11.2
/ADDR15: D18#3.2 U2#2.2 U4.31 U5#3.31 U6#8.31 U7#8.31 U10#3.12
/ARITHMETIC_AND_A7: U1#5.6 U4#7.1 U4#7.12
/Data Segments/Code Segment/S0: D44.2 U16#2.3 U18.2 U19.2
/Data Segments/Code Segment/S1: D43.2 U16#2.4 U18.3 U19.3
/Data Segments/Code Segment/S2: D42.2 U16#2.5 U18.4 U19.4
/Data Segments/Code Segment/S3: D41.2 U16#2.6 U18.5 U19.5
/Data Segments/Code Segment/S4: D40.2 U17.3 U18.6 U19.6
/Data Segments/Data Segment/S0: D39.2 U12#3.3 U14#2.2 U15#2.2
/Data Segments/Data Segment/S1: D38.2 U12#3.4 U14#2.3 U15#2.3
/Data Segments/Data Segment/S2: D37.2 U12#3.5 U14#2.4 U15#2.4
/Data Segments/Data Segment/S3: D36.2 U12#3.6 U14#2.5 U15#2.5
/Data Segments/Data Segment/S4: D35.2 U13.3 U14#2.6 U15#2.6
/Data Segments/Stack Segment/S0: D49.2 U20.3 U22.2 U23.2
/Data Segments/Stack Segment/S1: D48.2 U20.4 U22.3 U23.3
/Data Segments/Stack Segment/S2: D47.2 U20.5 U22.4 U23.4
/Data Segments/Stack Segment/S3: D46.2 U20.6 U22.5 U23.5
/Data Segments/Stack Segment/S4: D45.2 U21#2.3 U22.6 U23.6
/INST_BUS_0: U6#10.18 U7#9.18 U8.14
/INST_BUS_1: U6#10.17 U7#9.17 U8.13
/INST_BUS_2: U6#10.16 U7#9.16 U8.12
/INST_BUS_3: U6#10.15 U7#9.15 U8.11
/INST_BUS_4: U6#10.14 U7#9.14 U9#2.14
/INST_BUS_5: U6#10.13 U7#9.13 U9#2.13
/INST_BUS_6: U6#10.12 U7#9.12 U9#2.12
/INST_BUS_7: U6#10.11 U7#9.11 U9#2.11
/RAM Array/D0: D13#2.2 U4.13 U5#3.13 U6#8.13 U7#8.13 U8#6.2
/RAM Array/D1: D12#4.2 U4.14 U5#3.14 U6#8.14 U7#8.14 U8#6.3
/RAM Array/D2: D11#2.2 U4.15 U5#3.15 U6#8.15 U7#8.15 U8#6.4
/RAM Array/D3: D10#3.2 U4.17 U5#3.17 U6#8.17 U7#8.17 U8#6.5
/RAM Array/D4: D9#5.2 U4.18 U5#3.18 U6#8.18 U7#8.18 U8#6.6
/RAM Array/D5: D8#2.2 U4.19 U5#3.19 U6#8.19 U7#8.19 U8#6.7
/RAM Array/D6: D7#5.2 U4.20 U5#3.20 U6#8.20 U7#8.20 U8#6.8
/RAM Array/D7: D6#4.2 U4.21 U5#3.21 U6#8.21 U7#8.21 U8#6.9
/~{ADC}: U3#2.3 U8#4.2 U10#4.2
/~{ADD}: U3#2.2 U10#4.1
/~{ASL}: U1#2.10 U3#2.14 U9#3.13
/~{ASR}: U3#2.15 U9#3.2 U9#3.12
/~{DEC}: U3#2.7 U7#2.12 U10#4.12
/~{EEPROM_EN}: D34.2 U1#10.1 U1#10.2 U2#2.13 U11.23
/~{INC}: U3#2.6 U7#2.10 U7#2.13 U10#4.10
/~{ROL}: U1#2.13 U3#2.17 U9#3.10
/~{ROR}: U3#2.16 U9#3.5 U9#3.9
/~{SBB}: U3#2.5 U7#2.2 U8#4.1 U10#4.5
/~{SHL}: U1#2.9 U3#2.11
/~{SHR}: U3#2.13 U9#3.1
/~{SUB}: U3#2.4 U7#2.1 U10#4.4
/~{ZF}: U2#11.1 U4#3.1 U4#3.5
A0: J1#3.1 J1#5.1 J1#7.16 J1#8.1 J3#2.16 U2#7.1 U2#9.19 U3#3.10 U3#3.12 U3#9.1 U5#6.5 U5#9.8 U7.1 U9#4.2 U11#4.2
A1: J1#3.2 J1#5.2 J1#7.15 J1#8.2 J3#2.15 U2#7.4 U2#9.18 U3#9.4 U5#6.3 U5#9.7 U6#9.9 U7.4 U9#4.3 U11#4.3
A2: J1#3.3 J1#5.3 J1#7.14 J1#8.3 J3#2.14 U2#7.9 U2#9.17 U3#9.9 U5#6.14 U5#9.6 U6#9.8 U7.9 U9#4.4 U11#4.4
A3: J1#3.4 J1#5.4 J1#7.13 J1#8.4 J3#2.13 U2#7.12 U2#9.16 U3#9.12 U5#6.12 U5#9.5 U6#9.7 U7.12 U9#4.5 U11#4.5
A4: J1#3.5 J1#5.5 J1#7.12 J1#8.5 J3#2.12 U2#9.15 U4#6.1 U5#8.1 U5#9.4 U6#7.5 U6#9.6 U8#3.1 U9#4.6 U11#4.6
A5: J1#3.6 J1#5.6 J1#7.11 J1#8.6 J3#2.11 U2#9.14 U4#6.4 U5#8.4 U5#9.3 U6#7.3 U6#9.5 U8#3.4 U9#4.7 U11#4.7
A6: J1#3.7 J1#5.7 J1#7.10 J1#8.7 J3#2.10 U1#5.9 U1#5.12 U2#9.13 U4#6.9 U5#8.9 U6#7.14 U6#9.4 U8#3.9 U9#4.8 U11#4.8
A7: J1#3.8 J1#5.8 J1#7.9 J1#8.8 J2#4.6 J3#2.9 U1#5.1 U1#5.4 U2#9.12 U3#3.1 U4#6.12 U5#8.12 U6#7.12 U6#9.3 U8#3.12 U9#4.9 U11#4.9 U39.5
A8: J3#2.8 U10#3.2
A9: J3#2.7 U10#3.3
A10: J3#2.6 U10#3.4
A11: J3#2.5 U10#3.5
A12: J3#2.4 U10#3.6
A13: J3#2.3 U10#3.7
A14: J3#2.2 U10#3.8
A15: J3#2.1 U10#3.9
ADC_SBB: J3.2 J4#4.3 U8#4.3 U32.3 U33.9
ADDER_CARRY_IN: U5#6.7 U33.3
ADDER_CARRY_OUT: J4#4.6 U6#7.9
ADDER_OUT: J3.6 U10#4.8
ADDR0: J2#5.1 J3#8.1 J3#9.1 U1#9.2 U1#9.19 U6#4.19 U6#5.19 U9#6.18 U12#2.2 U17#2.18
ADDR1: J2#5.2 J3#8.2 J3#9.2 U1#9.3 U1#9.18 U6#4.18 U6#5.18 U9#6.17 U12#2.3 U17#2.17
ADDR2: J2#5.3 J3#8.3 J3#9.3 U1#9.4 U1#9.17 U6#4.17 U6#5.17 U9#6.16 U12#2.4 U17#2.16
ADDR3: J2#5.4 J3#8.4 J3#9.4 U1#9.5 U1#9.16 U6#4.16 U6#5.16 U9#6.15 U12#2.5 U17#2.15
ADDR4: J2#5.5 J3#8.5 J3#9.5 U1#9.6 U1#9.15 U6#4.15 U6#5.15 U9#6.14 U12#2.6 U17#2.14
ADDR5: J2#5.6 J3#8.6 J3#9.6 U1#9.7 U1#9.14 U6#4.14 U6#5.14 U9#6.13 U12#2.7 U17#2.13
ADDR6: J2#5.7 J3#8.7 J3#9.7 U1#9.8 U1#9.13 U6#4.13 U6#5.13 U9#6.12 U12#2.8 U17#2.12
ADDR7: J2#5.8 J3#8.8 J3#9.8 U1#9.9 U1#9.12 U6#4.12 U6#5.12 U9#6.11 U12#2.9 U17#2.11
ADDR8: J2#5.9 J3#8.9 J3#9.9 U8#5.19 U8#8.19 U11#3.18 U13#3.2 U13#3.19 U14#3.2 U18#2.18
ADDR9: J2#5.10 J3#8.10 J3#9.10 U8#5.18 U8#8.18 U11#3.17 U13#3.3 U13#3.18 U14#3.3 U18#2.17
ADDR10: J2#5.11 J3#8.11 J3#9.11 U8#5.17 U8#8.17 U11#3.16 U13#3.4 U13#3.17 U14#3.4 U18#2.16
ADDR11: J2#5.12 J3#8.12 J3#9.12 U8#5.16 U8#8.16 U11#3.15 U13#3.5 U13#3.16 U14#3.5 U18#2.15
ADDR12: J2#5.13 J3#8.13 J3#9.13 U8#5.15 U8#8.15 U11#3.14 U13#3.6 U13#3.15 U14#3.6 U18#2.14
ADDR13: J2#5.14 J3#8.14 J3#9.14 U8#5.14 U8#8.14 U11#3.13 U13#3.7 U13#3.14 U14#3.7 U18#2.13
ADDR14: J2#5.15 J3#8.15 J3#9.15 U8#5.13 U8#8.13 U11#3.12 U13#3.8 U13#3.13 U14#3.8 U18#2.12
ADDR15: J2#5.16 J3#8.16 J3#9.16 U8#5.12 U8#8.12 U11#3.11 U13#3.9 U13#3.12 U14#3.9 U18#2.11
ADR0: D6.2 J3#5.6 R11.1 U13#2.23
ADR1: D7#3.2 J3#5.5 R12.1 U13#2.22
ADR2: D8.2 J3#5.4 R13#3.1 U13#2.21
ADR3: D9#2.2 J3#5.3 R14#4.1 U13#2.20
ALU_FUNC_0: J5.4 U3#2.23
ALU_FUNC_1: J5.3 U3#2.22
ALU_FUNC_2: J5.2 U3#2.21
ALU_FUNC_3: J5.1 U3#2.20
ALU_FUNC_4: J5.6 U8#4.10
ALU_FUNC_5: J5.5 U8#4.4 U8#4.5 U8#4.9 U8#4.13
ARITHMETIC: U1#5.5 U1#5.13 U2#3.1 U2#3.8
ARITHMETIC_CARRY_OUT: J1#6.11 U35.1
